# Altium PCB UAARG Autopilot.PcbDoc (part 1 of 4) (continued)
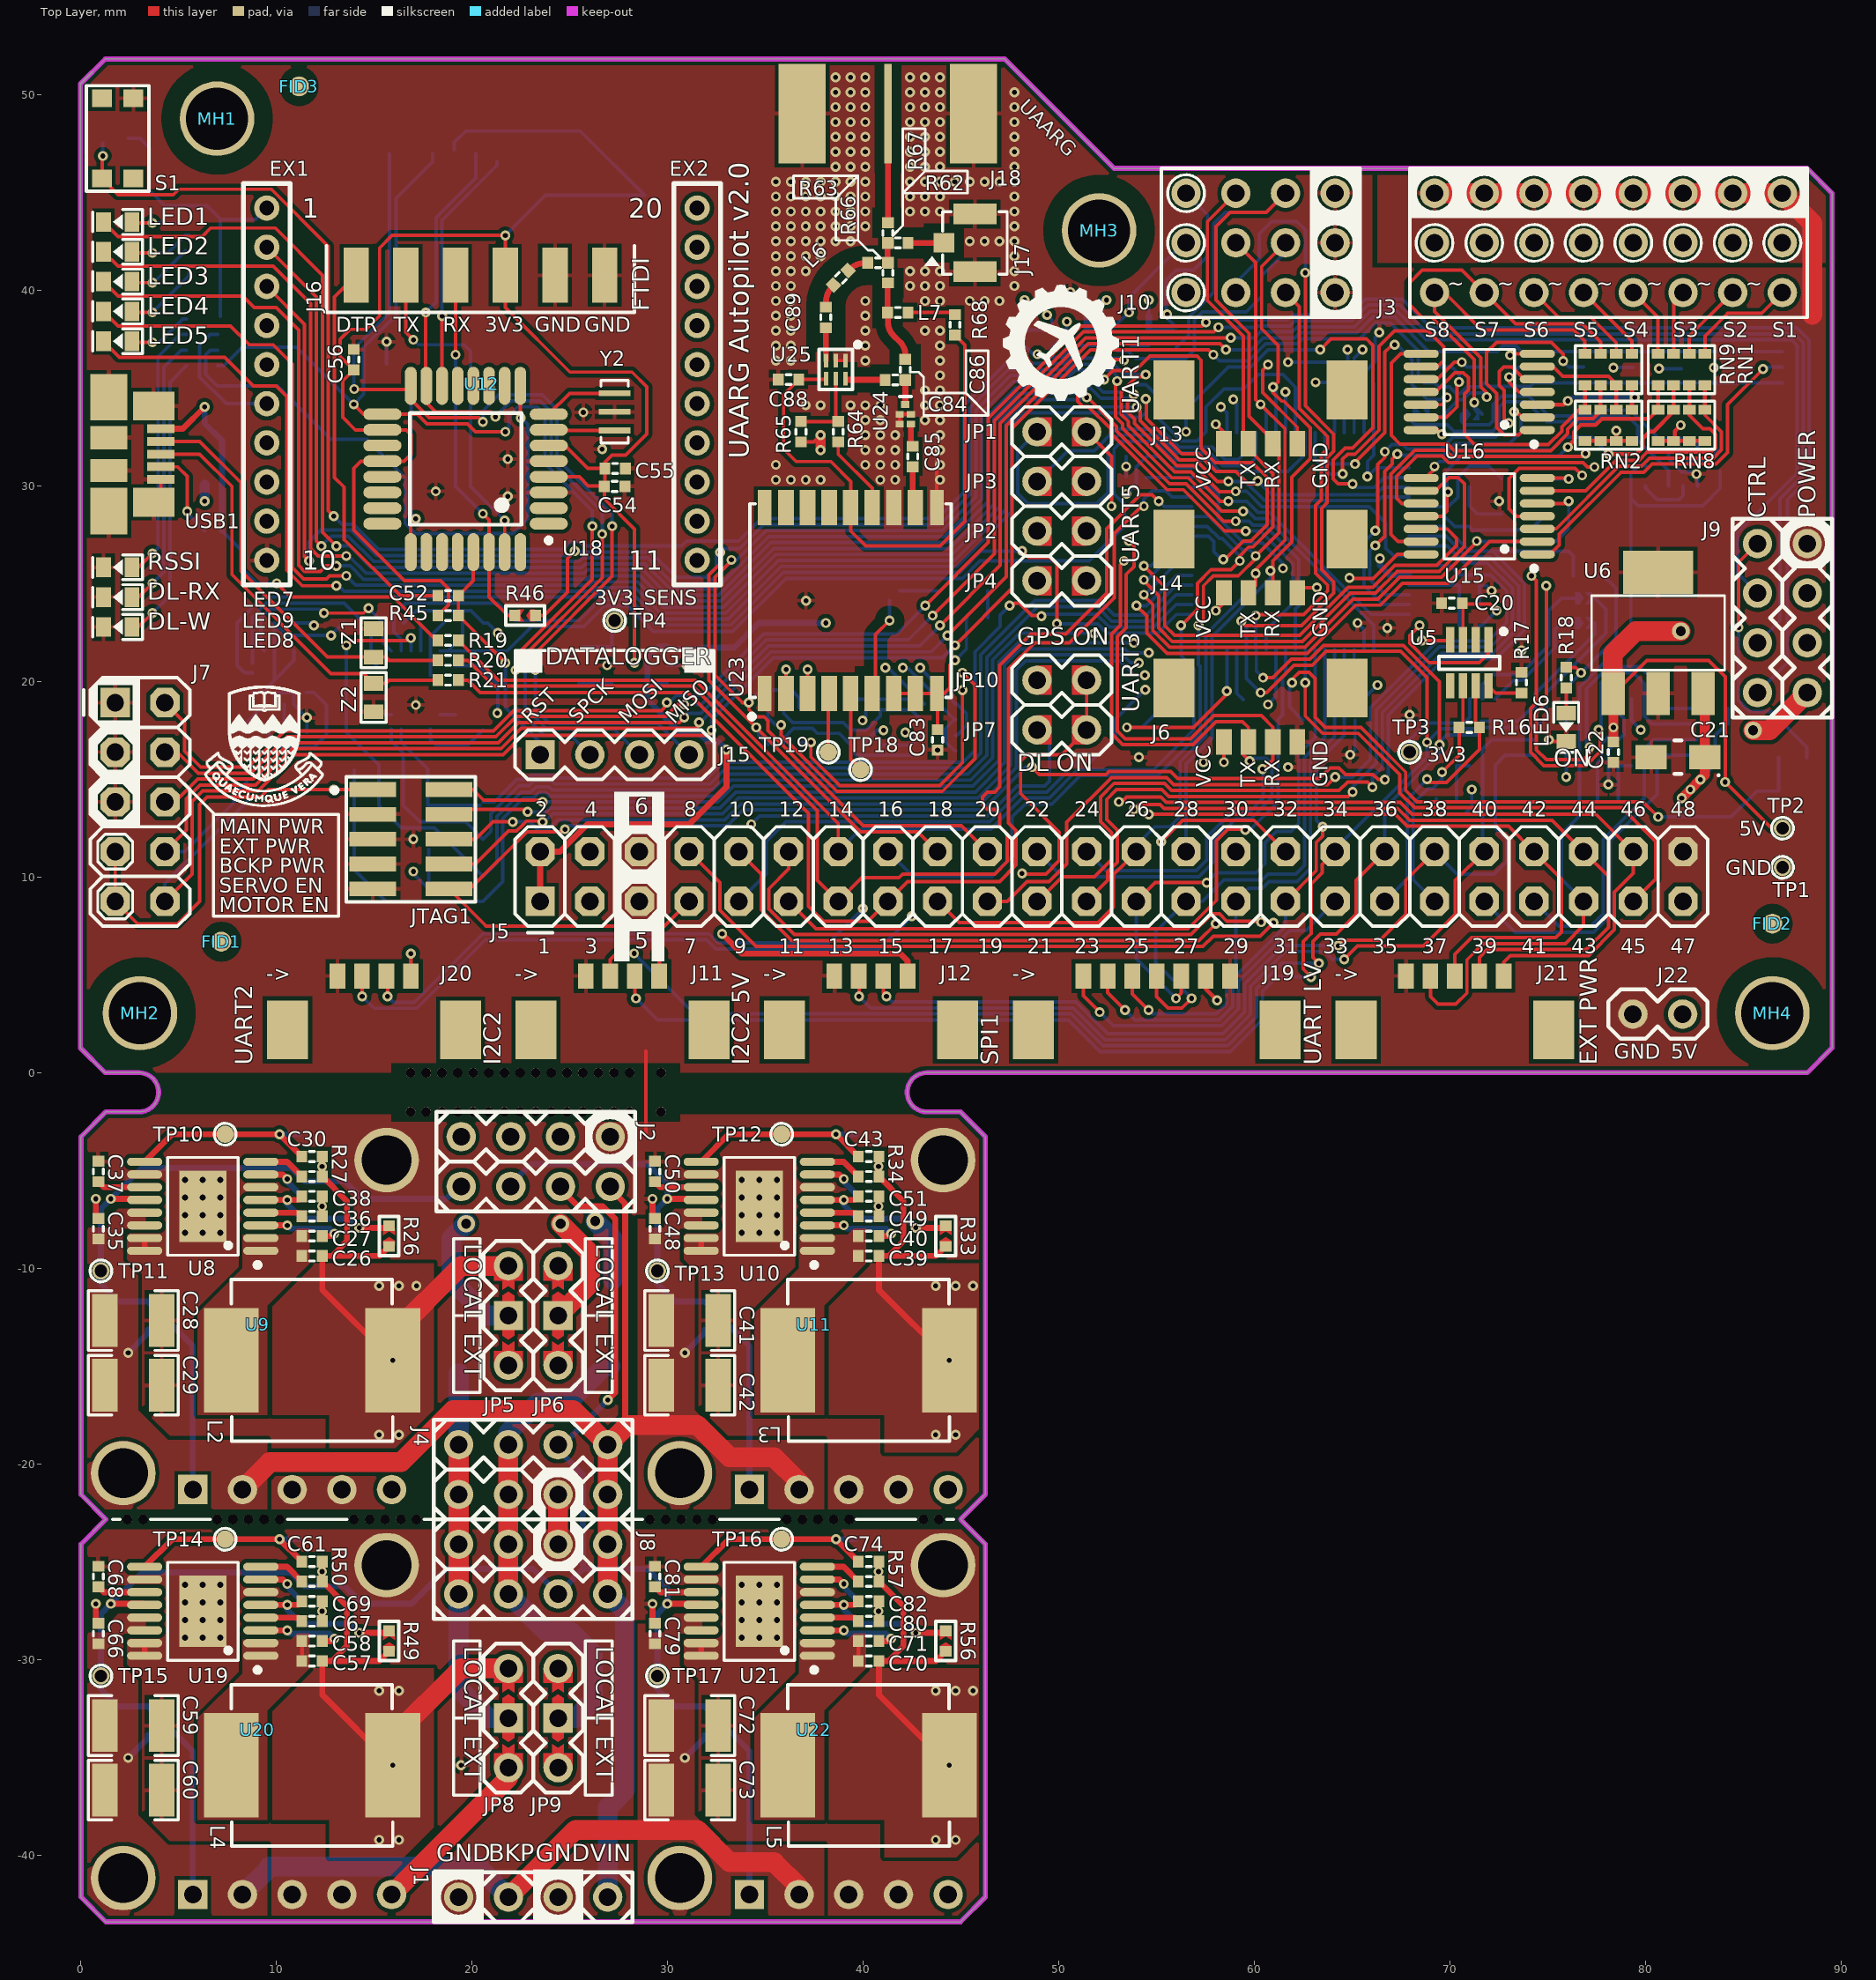
[diagram p0: Top Layer view]
## Components (designator, comment, footprint, x,y, rotation, side; value= is the part's Value field where it differs from the comment) (continued)
JP6 "Jumper" JUMPER_3POS 24.414,-12.414 r270 top
JP7 "Jumper" HDR_1x02_JMP 48.895,17.526 r0 top
JP8 "Jumper" JUMPER_3POS 21.874,-32.988 r270 top
JP9 "Jumper" JUMPER_3POS 24.414,-32.988 r270 top
JP10 "Jumper" HDR_1x02_JMP 48.895,20.066 r0 top
JTAG1 "Mini JTAG 5x2 TH" "Header 5x2 1.27mm SMD" 16.891,11.938 r270 top
L1 "#NAME?" GEN_0402[1005M] 70.993,22.86 r180 bottom
L2 "6.8uH" IHLP-3232DZ 11.841,-14.7 r0 top
L3 "6.8uH" IHLP-3232DZ 40.289,-14.7 r0 top
L4 "6.8uH" IHLP-3232DZ 11.841,-35.401 r0 top
L5 "6.8uH" IHLP-3232DZ 40.289,-35.401 r0 top
L6 "6.8nH" GEN_0402[1005M] 38.862,40.64 r45 top
L7 "27nH" GEN_0402[1005M] 41.783,38.862 r180 top
LED1 "LED" LED_0603[1608M] 1.905,43.488 r180 top
LED2 "LED" LED_0603[1608M] 1.905,41.964 r180 top
LED3 "LED" LED_0603[1608M] 1.905,40.44 r180 top
LED4 "LED" LED_0603[1608M] 1.905,38.916 r180 top
LED5 "LED" LED_0603[1608M] 1.905,37.392 r180 top
LED6 "LED" LED_0603[1608M] 75.946,17.657 r270 top
LED7 "LED" LED_0603[1608M] 1.905,25.835 r180 top
LED8 "LED" LED_0603[1608M] 1.905,22.787 r180 top
LED9 "LED" LED_0603[1608M] 1.905,24.311 r180 top
MH1 "Mounting Hole" MOUNTINGHOLE_6 6.985,48.768 r0 top locked
MH2 "Mounting Hole" MOUNTINGHOLE_6 3.048,3.048 r0 top locked
MH3 "Mounting Hole" MOUNTINGHOLE_6 52.07,43.053 r0 top
MH4 "Mounting Hole" MOUNTINGHOLE_6 86.487,3.048 r0 top locked
Q1 "BJT NPN DUAL" SOT363-6 81.915,30.893 r270 bottom
Q2 "N-CH MOSFET-D-ARRAY" SOT363-6 40.132,17.653 r270 bottom
R1 "RES" RES_0402[1005M] 62.484,18.542 r90 bottom
R2 "RES" RES_0603[1608M] 87.53,16.123 r0 bottom
R3 "RES" RES_0603[1608M] 87.53,14.472 r180 bottom
R4 "RES" RES_0402[1005M] 49.657,37.592 r90 bottom
R5 "RES" JUMPER_RES_0402 71.12,33.655 r0 bottom
R6 "RES" RES_0402[1005M] 80.01,30.512 r90 bottom
R7 "RES" RES_0402[1005M] 56.007,37.592 r90 bottom
R8 "RES" RES_0402[1005M] 52.832,37.592 r90 bottom
R9 "RES" JUMPER_RES_0402 68.58,33.655 r0 bottom
R10 "RES" RES_0402[1005M] 83.82,31.274 r270 bottom
R11 "RES" RES_0402[1005M] 64.135,35.814 r270 bottom
R12 "RES" RES_0402[1005M] 76.835,25.4 r0 bottom
R13 "RES" RES_0402[1005M] 13.97,22.987 r180 bottom
R14 "RES" RES_0402[1005M] 16.002,22.987 r0 bottom
R15 "RES" RES_0402[1005M] 20.066,22.987 r0 bottom
R16 "RES" RES_0402[1005M] 70.993,17.653 r0 top
R17 "RES" RES_0402[1005M] 73.66,19.939 r270 top
R18 "RES" RES_0402[1005M] 75.946,20.197 r270 top
R19 "RES" RES_0402[1005M] 18.796,22.098 r0 top
R20 "RES" RES_0402[1005M] 18.796,21.082 r180 top
R21 "RES" RES_0402[1005M] 18.796,20.066 r180 top
R22 "RES" RES_0402[1005M] 6.35,27.178 r90 bottom
R23 "RES" RES_0402[1005M] 7.239,27.178 r90 bottom
R24 "RES" RES_0402[1005M] 11.841,-4.286 r180 bottom
R25 "RES" RES_0603[1608M] 3.459,-12.414 r270 bottom
R26 "RES" JUMPER_RES_0402 15.778,-8.35 r90 top
R27 "RES" RES_0402[1005M] 11.841,-5.302 r180 top
R28 "RES" RES_0402[1005M] 11.841,-3.27 r0 bottom
R29 "RES" RES_0402[1005M] 11.841,-6.318 r180 bottom
R30 "RES" RES_0603[1608M] 1.935,-12.414 r90 bottom
R31 "RES" RES_0402[1005M] 40.289,-4.286 r180 bottom
R32 "RES" RES_0603[1608M] 31.907,-12.414 r270 bottom
R33 "RES" JUMPER_RES_0402 44.226,-8.35 r90 top
R34 "RES" RES_0402[1005M] 40.289,-5.302 r180 top
R35 "RES" RES_0402[1005M] 40.289,-3.27 r0 bottom
R36 "RES" RES_0402[1005M] 40.289,-6.318 r180 bottom
R37 "RES" RES_0603[1608M] 30.383,-12.414 r90 bottom
R38 "RES" RES_0402[1005M] 78.08,13.995 r0 bottom
R39 "RES" RES_0402[1005M] 69.825,13.995 r0 bottom
R40 "RES" JUMPER_RES_0402 76.885,24.257 r0 bottom
R41 "RES" JUMPER_RES_0402 76.885,22.987 r0 bottom
R42 "RES" RES_0402[1005M] 9.017,13.843 r0 bottom
R43 "RES" RES_0402[1005M] 9.017,14.859 r0 bottom
R44 "RES" RES_0402[1005M] 1.905,47.752 r0 bottom
R45 "RES" RES_0402[1005M] 18.796,23.368 r180 top
R46 "RES" JUMPER_RES_0402 22.733,23.368 r180 top
R47 "RES" RES_0402[1005M] 11.841,-24.987 r180 bottom
R48 "RES" RES_0603[1608M] 3.459,-33.115 r270 bottom
R49 "RES" JUMPER_RES_0402 15.778,-29.051 r90 top
R50 "RES" RES_0402[1005M] 11.841,-26.003 r180 top
R51 "RES" RES_0402[1005M] 11.841,-23.971 r0 bottom
R52 "RES" RES_0402[1005M] 11.841,-27.019 r180 bottom
R53 "RES" RES_0603[1608M] 1.935,-33.115 r90 bottom
R54 "RES" RES_0402[1005M] 40.289,-24.987 r180 bottom
R55 "RES" RES_0603[1608M] 31.907,-33.115 r270 bottom
R56 "RES" JUMPER_RES_0402 44.226,-29.051 r90 top
R57 "RES" RES_0402[1005M] 40.289,-26.003 r180 top
R58 "RES" RES_0402[1005M] 40.289,-23.971 r0 bottom
R59 "RES" RES_0402[1005M] 40.289,-27.019 r180 bottom
R60 "RES" RES_0603[1608M] 30.383,-33.115 r90 bottom
R61 "RES" RES_0402[1005M] 45.847,23.241 r0 bottom
R62 "RES" RES_0402[1005M] 41.783,42.418 r180 top
R63 "RES" RES_0402[1005M] 40.767,41.402 r180 top
R64 "RES" RES_0402[1005M] 38.735,32.766 r90 top
R65 "RES" RES_0402[1005M] 36.83,32.766 r90 top
R66 "RES" RES_0402[1005M] 41.275,40.894 r90 top
R67 "RES" RES_0402[1005M] 41.275,42.926 r270 top
R68 "RES" RES_0402[1005M] 44.704,38.227 r90 top
RN1 "Res Network 1" "RES ARRAY SMD" 81.839,35.941 r0 top
RN2 "Res Network 1" "RES ARRAY SMD" 78.105,35.941 r0 top
RN3 "Res Network 1" "RES ARRAY SMD" 43.942,17.653 r270 bottom
RN4 "Res Network 1" "RES ARRAY SMD" 83.414,17.424 r270 bottom
RN5 "Res Network 1" "RES ARRAY SMD" 75.159,17.424 r270 bottom
RN6 "Res Network 1" "RES ARRAY SMD" 6.223,37.338 r90 bottom
RN7 "Res Network 1" "RES ARRAY SMD" 6.35,42.418 r90 bottom
RN8 "Res Network 1" "RES ARRAY SMD" 81.839,33.096 r180 top
RN9 "Res Network 1" "RES ARRAY SMD" 78.105,33.096 r180 top
S1 "BIND" "SMD TACTILE SW KMR 2" 1.905,47.752 r270 top
SB1 "SMD Jumper 1" "SMD JUMPER 1" 35.941,16.764 r90 bottom
SB2 "SMD Jumper 1" "SMD JUMPER 1" 35.941,18.669 r270 bottom
SB3 "SMD Jumper 1" "SMD JUMPER 1" 48.26,37.973 r180 bottom
SB4 "SMD Jumper 2" "SMD JUMPER 2" 54.61,37.973 r180 bottom
SB5 "SMD Jumper 2" "SMD JUMPER 2" 51.435,37.973 r180 bottom
SB6 "SMD Jumper 1" "SMD JUMPER 1" 86.995,36.068 r180 bottom
SB7 "SMD Jumper 1" "SMD JUMPER 1" 84.455,36.068 r180 bottom
SB8 "SMD Jumper 1" "SMD JUMPER 1" 81.915,36.068 r180 bottom
SB9 "SMD Jumper 1" "SMD JUMPER 1" 79.375,36.068 r180 bottom
SB10 "SMD Jumper 1" "SMD JUMPER 1" 76.835,36.068 r180 bottom
SB11 "SMD Jumper 1" "SMD JUMPER 1" 74.295,36.068 r180 bottom
SB12 "SMD Jumper 1" "SMD JUMPER 1" 71.755,36.068 r180 bottom
SB13 "SMD Jumper 1" "SMD JUMPER 1" 69.215,36.068 r180 bottom
TP1 "Test Point GND" TP_TH_1_SILK 87,10.5 r0 top
TP2 "Test Point VCC" TP_TH_1_SILK 87,12.5 r90 top
TP3 "Test Point VCC" TP_TH_1_SILK 67.945,16.383 r90 top
TP4 "Test Point VCC" TP_TH_1_SILK 27.305,23.114 r90 top
TP5 "Test Point SIG" TP_SMD_1_SILK 20.574,13.843 r90 bottom
TP6 "Test Point SIG" TP_SMD_1_SILK 20.574,10.033 r90 bottom
TP7 "Test Point SIG" TP_SMD_1_SILK 20.574,11.938 r90 bottom
TP8 "Test Point SIG" TP_SMD_1_SILK 22.225,23.114 r90 bottom
TP9 "Test Point SIG" TP_SMD_1_SILK 13.97,15.494 r90 bottom
TP10 "Test Point SIG" TP_SMD_1_SILK 7.396,-3.143 r90 top
TP11 "Test Point SIG" TP_TH_1_SILK 1.046,-10.128 r90 top
TP12 "Test Point SIG" TP_SMD_1_SILK 35.844,-3.143 r90 top
TP13 "Test Point SIG" TP_TH_1_SILK 29.494,-10.128 r90 top
TP14 "Test Point SIG" TP_SMD_1_SILK 7.396,-23.844 r90 top
TP15 "Test Point SIG" TP_TH_1_SILK 1.046,-30.829 r90 top
TP16 "Test Point SIG" TP_SMD_1_SILK 35.844,-23.844 r90 top
TP17 "Test Point SIG" TP_TH_1_SILK 29.494,-30.829 r90 top
TP18 "Test Point SIG" TP_SMD_1_SILK 39.878,15.494 r90 top
TP19 "Test Point SIG" TP_SMD_1_SILK 38.227,16.383 r90 top
U1 "STM32F405RGT6" STM-LQFP64_N 62.357,27.178 r180 bottom locked
U2 "MS5611-01BA03" MS5611-01BA03 15.875,12.573 r90 bottom
U3 "MPU-6000" QFN24 17.145,19.558 r0 bottom
U4 "HMC5883L" QFN16 10.16,20.193 r270 bottom
U5 "MAX3051" SOT23-8_N 70.993,20.955 r270 top
U6 "LM3940IMPX-3.3/NOPB" SOT223-3 80.645,22.479 r0 top
U7 "LP2992" SOT23-5_N 28.575,20.828 r180 bottom
U8 "LM43603PWPT" HTSSOP-16 6.253,-6.826 r180 top
U9 "D24V__F_" D24V__F_ 5.745,-21.304 r0 top locked
U10 "LM43603PWPT" HTSSOP-16 34.701,-6.826 r180 top
U11 "D24V__F_" D24V__F_ 34.193,-21.304 r0 top locked
U12 "XBee / XBee PRO" "XBEE PRO FOR HEADERS" 9.525,44.196 r0 top locked
U13 "PCA9306DC" "DCT-8 (LSSOP-8)" 79.604,17.424 r270 bottom
U14 "PCA9306DC" "DCT-8 (LSSOP-8)" 71.349,17.424 r270 bottom
U15 "SN74LVC125APWR" TSSOP-14 71.501,28.448 r180 top
U16 "SN74LVC125APWR" TSSOP-14 71.501,34.798 r180 top
U17 "MICRO-SD_1" MICRO-SD_1 13.462,49.911 r0 bottom
U18 "ATmega328P-AU" TQFP32A_M 19.685,30.861 r180 top
U19 "LM43603PWPT" HTSSOP-16 6.253,-27.527 r180 top
U20 "D24V__F_" D24V__F_ 5.745,-42.005 r0 top locked
U21 "LM43603PWPT" HTSSOP-16 34.701,-27.527 r180 top
U22 "D24V__F_" D24V__F_ 34.193,-42.005 r0 top locked
U23 "MAX-7Q" MAX6/7_GPS 39.37,24.13 r90 top locked
U24 "#NAME?" 5-SMD 42.164,33.655 r0 top
U25 "#NAME?" uDFN-6 38.608,35.941 r270 top
USB1 "Micro USB B" "Micro USB B_SMT" 0,31.623 r270 top locked
Y1 "XTAL_1" "CRYSTAL SMD3 ABM8G 3225" 73.787,29.464 r0 bottom
Y2 "XTAL_3" RESONATOR_3213 27.305,33.782 r90 top
Z1 "#NAME?" GEN2_0603[1608M] 14.986,21.971 r270 top
Z2 "#NAME?" GEN2_0603[1608M] 14.986,19.177 r90 top

## Footprints (in the part's own frame and the unit in brackets; to place one, negate y for a bottom-side part, rotate by r counter-clockwise, add the part's x,y. Pads: shape width x height; smd on the part's side, far side on the other; paste and mask are expansions set on the pad)
1X04 [mm] "Connector; Header; 4 Position"
  rect 1.5x1.5 hole 0.9: 1(0,0)
  round 1.5 hole 0.9: 2(2.54,0) 3(5.08,0) 4(7.62,0)
  silkscreen extent -1.27,-1.27 8.89,1.27
1X04_v2 [mm] "Connector; Header; 4 Position"
  round 1.5 hole 0.9: 1(0,0) 2(2.54,0) 3(5.08,0) 4(7.62,0)
  silkscreen extent -1.27,-1.27 8.89,1.27
"2mm pitch female header" [mm] "2mm pitch female header"
  round 1.3 hole 0.762: 1(0,0) 2(0,-2) 3(0,-4) 4(0,-6) 5(0,-8) 6(0,-10) 7(0,-12) 8(0,-14) 9(0,-16) 10(0,-18)
  silkscreen extent -1.19,-19.25 1.19,1.25, body extent -1.23,-19.25 1.27,1.25, height 4
2X04 [mm] "Connector; Header; 4 Position"
  round 1.5 hole 0.9: 1(0,0) 2(2.54,0) 3(0,-2.54) 4(2.54,-2.54) 5(0,-5.08) 6(2.54,-5.08) 7(0,-7.62) 8(2.54,-7.62)
  silkscreen extent -1.27,-8.89 3.81,1.27
5-SMD [mm] "5-Terminal Surface-Mount Case  1.45 X 1.15- mm Nominal Footprint"
  rect 0.425x0.35 smd: A(0.288,-0.5) B(0.288,0) C(0,0.5) D(-0.288,0) E(-0.288,-0.5)
  silkscreen extent -0.3,0.9 0.3,0.9, body extent -0.58,-0.72 0.58,0.72, height 0.7
CAP_0402[1005M] [mm] "Chip SMD Capacitor, Body 1.0x0.5mm, IPC Low Density"
  rect 0.55x0.6 smd: 1(-0.525,0) 2(0.525,0)
  silkscreen extent -0.13,-0.25 0.13,0.25, body extent -0.5,-0.25 0.5,0.25, height 0.48
CAP_0603[1608M] [mm] "Chip SMD Capacitor, Body 1.6x0.8mm, IPC Low Density"
  rect 0.75x1 smd: 1(-0.725,0) 2(0.725,0)
  silkscreen extent -0.25,-0.38 0.25,0.38, body extent -0.8,-0.4 0.8,0.4, height 0.78
CAP_0805[2012M] [mm] "Chip SMD Capacitor, Body 2.0x1.2mm, IPC Low Density"
  rect 1x1.4 smd: 1(-0.95,0) 2(0.95,0)
  silkscreen extent -0.28,-0.65 0.28,0.65, body extent -1,-0.62 1,0.63, height 0.59
CAP_1210[3225M] [mm] "Chip SMD Capacitor, Body 3.2x2.5mm, IPC Low Density"
  rect 1.3x2.7 smd: 1(-1.45,0) 2(1.45,0)
  silkscreen extent -2.3,-1.52 2.3,1.52, body extent -1.6,-1.25 1.6,1.25, height 1.3
CAPMP3216X16N [mm] "Molded Capacitor, 2-Leads, Body 3.20x1.60mm, IPC Medium Density"
  rect 1.6x1.25 smd: 1(-1.375,0) 2(1.375,0)
  silkscreen extent -2.13,-0.85 0.17,0.97, body extent -1.7,-0.84 1.7,0.84, height 1.71
"CRYSTAL SMD3 ABM8G 3225" [mm] "SMD Crystal Abracon ABM8G 3.2x2.5"
  rect 1.4x1.2 smd: 1(-1.15,-0.9) 2(1.15,-0.9) 3(1.15,0.9) 4(-1.15,0.9)
  silkscreen extent -2.05,-1.68 2.05,1.68, body extent -1.6,-1.25 1.6,1.25, height 1.01
D24V__F_ [mm] "Pololu's Buck Converter Module"
  round 3.302 hole 2.54: 0(-3.556,0.838) 0(9.906,16.84)
  rect 1.5x1.5 hole 0.9: 1(0,0)
  round 1.5 hole 0.9: 2(2.54,0) 3(5.08,0) 4(7.62,0) 5(10.16,0)
"DCT-8 (LSSOP-8)" [mm] "LSSOP-8, 8-Leads, Body 3.15x2.9mm, Pitch 0.65mm, IPC Medium Density"
  oval 1.6x0.3 smd: 1(-1.7,0.975) 2(-1.7,0.325) 3(-1.7,-0.325) 4(-1.7,-0.975) 5(1.7,-0.975) 6(1.7,-0.325) 7(1.7,0.325) 8(1.7,0.975)
  silkscreen extent -2.3,-1.48 0.65,1.77, body extent -2.1,-1.52 2.1,1.53, height 1.3
FIDUCIAL_1 [mil] "Fiducial model 1"
  rrect100% 40x40 smd paste-20 mask+20: P$1(0,0)
  Top Layer pour cut-out: 0,-40 -15.31,-36.96 -28.28,-28.28 -36.96,-15.31 -40,0 -40,0 -36.96,15.31 -28.28,28.28 -15.31,36.96 0,40 0,40 15.31,36.96 28.28,28.28 36.96,15.31 40,0 40,0 36.96,-15.31 28.28,-28.28 15.31,-36.96 0,-40
GEN2_0603[1608M] [mm] "Chip SMD Generic Component, Body 1.6x0.8mm, IPC Low Density"
  rect 0.75x1 smd: 1(-0.725,0) 2(0.725,0)
  silkscreen extent -1.27,-0.64 1.27,0.64, body extent -0.8,-0.4 0.8,0.4, height 0.9
GEN_0402[1005M] [mm] "Chip SMD Generic Component, Body 1.0x0.5mm, IPC Low Density"
  rect 0.55x0.6 smd: 1(-0.525,0) 2(0.525,0)
  silkscreen extent -0.13,-0.25 0.13,0.25, body extent -0.5,-0.25 0.5,0.25, height 0.6
HDR_1x02 [mm] "Header 2 positions"
  round 1.5 hole 0.9: 1(0,0) 2(2.54,0)
  silkscreen extent -1.27,-1.27 3.81,1.27, body extent -1.17,-1.25 3.91,1.25, height 8.6
HDR_1x02_JMP [mm] "Header 2 positions"
  round 1.5 hole 0.9: 1(0,0) 2(2.54,0)
  Multi-Layer region: 2.54,0.75 1.79,0.75 1.79,-0.75 2.54,-0.75
  Multi-Layer region: 0,-0.75 0.75,-0.75 0.75,0.75 0,0.75
  silkscreen extent -1.27,-1.27 3.81,1.27, body extent -1.17,-1.25 3.91,1.25, height 8.6
HDR_2X05 [mm] "Connector; Header; 2x05 Position"
  rect 1.5x1.5 hole 0.9: 1(0,0)
  oct 1.5x1.5 hole 0.9: 2(0,2.54) 3(2.54,0) 4(2.54,2.54) 5(5.08,0) 6(5.08,2.54) 7(7.62,0) 8(7.62,2.54) 9(10.16,0) 10(10.16,2.54)
  silkscreen extent -1.27,-1.61 11.43,3.81, body extent -1.27,-10.02 11.43,2.86, height 5
HDR_2X24 [mm] "Connector; Header; 2x24 Position"
  rect 1.5x1.5 hole 0.9: 1(0,0)
  oct 1.5x1.5 hole 0.9: 2(0,2.54) 3(2.54,0) 4(2.54,2.54) 5(5.08,0) 6(5.08,2.54) 7(7.62,0) 8(7.62,2.54) 9(10.16,0) 10(10.16,2.54) 11(12.7,0) 12(12.7,2.54) 13(15.24,0) 14(15.24,2.54) 15(17.78,0) 16(17.78,2.54) 17(20.32,0) 18(20.32,2.54) 19(22.86,0) 20(22.86,2.54) 21(25.4,0) 22(25.4,2.54) 23(27.94,0) 24(27.94,2.54) 25(30.48,0) 26(30.48,2.54) 27(33.02,0) 28(33.02,2.54) 29(35.56,0) 30(35.56,2.54) 31(38.1,0) 32(38.1,2.54) 33(40.64,0) 34(40.64,2.54) 35(43.18,0) 36(43.18,2.54) 37(45.72,0) 38(45.72,2.54) 39(48.26,0) 40(48.26,2.54) 41(50.8,0) 42(50.8,2.54) 43(53.34,0) 44(53.34,2.54) 45(55.88,0) 46(55.88,2.54) 47(58.42,0) 48(58.42,2.54)
  silkscreen extent -1.27,-1.61 59.69,3.81, body extent -1.27,-1.27 59.69,3.81, height 8.5
HDR_3X04_RA [mm] "Connector; Header; 12 Position, 3 rows, 4 pins per row, right angle"
  round 1.5 hole 0.9: 1(7.62,0) 2(5.08,0) 3(2.54,0) 4(0,0) 5(7.62,2.54) 6(5.08,2.54) 7(2.54,2.54) 8(0,2.54) 9(7.62,5.08) 10(5.08,5.08) 11(2.54,5.08) 12(0,5.08)
  silkscreen extent -1.27,-1.27 8.89,6.35, body extent -1.27,-9.91 8.89,5.4, height 7.19
HDR_3X08_RA [mm] "Connector; Header; 24 Position, 3 rows, 8 pins per row, right angle"
  round 1.5 hole 0.9: 1(0,5.08) 2(0,2.54) 3(0,0) 4(2.54,5.08) 5(2.54,2.54) 6(2.54,0) 7(5.08,5.08) 8(5.08,2.54) 9(5.08,0) 10(7.62,5.08) 11(7.62,2.54) 12(7.62,0) 13(10.16,5.08) 14(10.16,2.54) 15(10.16,0) 16(12.7,5.08) 17(12.7,2.54) 18(12.7,0) 19(15.24,5.08) 20(15.24,2.54) 21(15.24,0) 22(17.78,5.08) 23(17.78,2.54) 24(17.78,0)
  silkscreen extent -1.27,-1.27 19.05,6.35, body extent -1.27,-9.91 19.05,5.4, height 7.19
"Header 5x2 1.27mm SMD" [mm] "Header 10pos, 5x2, pitch 1.27mm SMD"
  rect 0.75x2.4 smd: 1(-2.54,-1.95) 2(-2.54,1.95) 3(-1.27,-1.95) 4(-1.27,1.95) 5(0,-1.95) 6(0,1.95) 7(1.27,-1.95) 8(1.27,1.95) 9(2.54,-1.95) 10(2.54,1.95)
  silkscreen extent -3.2,-4.02 3.2,3.3, body extent -3.14,-2.92 3.14,2.92, height 6.12
"HEADER RA 6 2.54" [mm] "CONN 3M male pin header 6 SMD 961106-5500"
  rect 2.8x1.3 smd: 1(0,6.35) 2(0,3.81) 3(0,1.27) 4(0,-1.27) 5(0,-3.81) 6(0,-6.35)
  silkscreen extent -1.5,-7.87 1.91,7.87, body extent -10.82,-7.54 0.68,7.7, height 2.5
HTSSOP-16 [mm] "Thin-Shrink Small Outline Package (TSSOP), 16-Leads, Body 4.4x5.0mm, Pitch 0.65mm, IPC Medium Density with exposed pad"
  oval 1.8x0.42 smd: 1(-2.97,2.275) 2(-2.97,1.625) 3(-2.97,0.975) 4(-2.97,0.325) 5(-2.97,-0.325) 6(-2.97,-0.975) 7(-2.97,-1.625) 8(-2.97,-2.275) 9(2.97,-2.275) 10(2.97,-1.625) 11(2.97,-0.975) 12(2.97,-0.325) 13(2.97,0.325) 14(2.97,0.975) 15(2.97,1.625) 16(2.97,2.275)
  rect 2.41x3.65 smd: EP(0,0)
  silkscreen extent -2.93,-2.5 1.8,3.12, body extent -3.2,-2.5 3.2,2.5, height 1
IHLP-3232DZ [mil] "SMT Inductor IHLP-3232DZ 322x322x158mil"
  rect 110x210 smd: 1(-162.4,0) 2(162.4,-0.01)
  silkscreen extent -162,-162 162,162, body extent -170,-161 170,161, height 158
JUMPER_3POS [mm] "Multi Jumper 3 positions"
  round 1.5 hole 0.9: 1(-2.54,0) 3(2.54,0)
  rect 1.5x1.5 hole 0.9: 2(0,0)
  Top Layer region: 1.32,0.3 1.52,0 1.32,-0.3 2,-0.3 2,0.3
  Top Layer region: 0.675,0.3 1.02,0.3 1.22,0 1.02,-0.3 0.675,-0.3
  Top Layer region: -0.675,-0.3 -1.02,-0.3 -1.22,0 -1.02,0.3 -0.675,0.3
  Top Layer region: -1.32,-0.3 -1.52,0 -1.32,0.3 -2,0.3 -2,-0.3
  Bottom Layer region: 1.32,-0.3 1.52,0 1.32,0.3 2,0.3 2,-0.3
  Bottom Layer region: 0.675,-0.3 1.02,-0.3 1.22,0 1.02,0.3 0.675,0.3
  Bottom Layer region: -0.675,0.3 -1.02,0.3 -1.22,0 -1.02,-0.3 -0.675,-0.3
  Bottom Layer region: -1.32,0.3 -1.52,0 -1.32,-0.3 -2,-0.3 -2,0.3
  Multi-Layer region: 2.54,0.75 1.79,0.75 1.79,-0.75 2.54,-0.75
  Multi-Layer region: -2.54,-0.75 -1.79,-0.75 -1.79,0.75 -2.54,0.75
  silkscreen extent -3.81,-1.27 3.81,1.27, body extent -3.71,-1.25 3.91,1.25, height 8.6
JUMPER_RES_0402 [mm] "Chip SMD Resistor Body 1.0x0.5mm, IPC Low Density with footprint for solder jumper"
  rect 0.55x0.6 smd: 1(-0.525,0) 2(0.525,0)
  Top Layer region: -0.475,0.3 -0.25,0.3 -0.05,0 -0.25,-0.3 -0.475,-0.3
  Top Layer region: 0.05,0.3 0.25,0 0.05,-0.3 0.375,-0.3 0.375,0.3
  silkscreen extent -1,-0.5 1,0.5, body extent -0.5,-0.25 0.5,0.25, height 0.34
LED_0603[1608M] [mm] "Chip SMD LED Body 1.6x0.8mm, IPC Low Density"
  rect 0.75x1 smd: 1(-0.725,0) 2(0.725,0)
  silkscreen extent -1.27,-0.64 1.27,0.64, body extent -0.8,-0.4 0.8,0.4, height 0.25
MAX6/7_GPS [mm] "u-blox MAX6/7 GNSS module"
  rect 1.8x0.7 smd mask+0.03: 1(-4.75,4.4) 9(-4.75,-4.4) 10(4.75,-4.4) 18(4.75,4.4)
  rect 1.8x0.8 smd mask+0.03: 2(-4.75,3.3) 3(-4.75,2.2) 4(-4.75,1.1) 5(-4.75,0) 6(-4.75,-1.1) 7(-4.75,-2.2) 8(-4.75,-3.3) 11(4.75,-3.3) 12(4.75,-2.2) 13(4.75,-1.1) 14(4.75,0) 15(4.75,1.1) 16(4.75,2.2) 17(4.75,3.3)
  silkscreen extent -6.05,-5.15 4.95,5.17, body extent -4.85,-5.05 4.85,5.05, height 2.47
"Micro USB B_SMT" [mm] "Micro USB B SMD R/A; Molex P/N 0473460001"
  rect 0.45x1.38 smd: 1(-1.3,4.11) 2(-0.65,4.11) 3(0,4.11) 4(0.65,4.11) 5(1.3,4.11)
  rect 2.375x1.9 smd: SH(-2.913,1.45) SH(2.913,1.45)
  rect 1.475x2.1 smd: SH(-2.462,3.75) SH(2.462,3.75)
  rect 1.175x1.9 smd: SH(-0.837,1.45) SH(0.837,1.45)
  body extent -3.99,-0.7 3.99,4.73, height 2.72
MICRO-SD_1 [mm] "Global Connector Technology MEM2051-00-195-00-A"
  rect 0.8x1.5 smd: 1(8.94,2.94) 2(7.84,3.34) 3(6.74,2.94) 4(5.64,2.74) 5(4.54,2.94) 6(3.44,2.74) 7(2.34,2.94) 8(1.24,2.94)
  rect 1x0.95 smd: 9(3.44,14.025)
  rect 1.4x1.9 smd: 10(0.45,0.65) 10(13.6,-0.4)
  rect 1.3x1.4 smd: 10(2.05,13.8) 10(7.75,13.8)
  silkscreen extent -0.2,-1.2 14.2,14.3, body extent -0.1,-1.1 14.1,14.25, height 1.95
MOUNTINGHOLE_6 [mm] "Mounting Hole 6 - Not plated, solder mask open anular ring"
  round 3.81 hole 3.175 unplated mask+0.889: MH(0,0)
  Top Layer pour cut-out: 0,-2.857 -1.093,-2.64 -2.02,-2.02 -2.64,-1.093 -2.857,0 -2.857,0 -2.64,1.093 -2.02,2.02 -1.093,2.64 0,2.857 0,2.857 1.094,2.64 2.021,2.021 2.64,1.094 2.857,0 2.857,0 2.64,-1.094 2.021,-2.021 1.094,-2.64 0,-2.857
  Bottom Layer pour cut-out: 0,-2.857 -1.093,-2.64 -2.02,-2.02 -2.64,-1.093 -2.857,0 -2.857,0 -2.64,1.093 -2.02,2.02 -1.093,2.64 0,2.857 0,2.857 1.094,2.64 2.021,2.021 2.64,1.094 2.857,0 2.857,0 2.64,-1.094 2.021,-2.021 1.094,-2.64 0,-2.857
MS5611-01BA03 [mm] "MS5611-01BA03 Pressure Sensor"
  rect 1.2x0.6 smd: 1(-1.1,1.875) 2(-1.1,0.625) 3(-1.1,-0.625) 4(-1.1,-1.875) 5(1.1,-1.875) 6(1.1,-0.625) 7(1.1,0.625) 8(1.1,1.875)
  silkscreen extent -2.22,-2.6 1.6,2.6, body extent -1.5,-2.5 1.5,2.5, height 1.05
PICOBLADE_1X04_VERT_SMD [mm] "PicoBlade connector 1x04, vertical, smd, 1.25mm pitch"
  rect 2.1x3 smd: 0(-4.425,1.375) 0(4.425,1.375)
  rect 0.8x1.3 smd: 1(-1.875,-1.375) 2(-0.625,-1.375) 3(0.625,-1.375) 4(1.875,-1.375)
  body extent -5.07,-1.73 5.08,2.47, height 4.7
PICOBLADE_1X05_VERT_SMD [mm] "PicoBlade connector 1x05, vertical, smd, 1.25mm pitch"
  rect 2.1x3 smd: 0(-5.05,1.375) 0(5.05,1.375)
  rect 0.8x1.3 smd: 1(-2.5,-1.375) 2(-1.25,-1.375) 3(0,-1.375) 4(1.25,-1.375) 5(2.5,-1.375)
  body extent -5.7,-1.73 5.7,2.47, height 4.7
PICOBLADE_1X07_VERT_SMD [mm] "PicoBlade connector 1x07, vertical, smd, 1.25mm pitch"
  rect 2.1x3 smd: 0(-6.3,1.375) 0(6.3,1.375)
  rect 0.8x1.3 smd: 1(-3.75,-1.375) 2(-2.5,-1.375) 3(-1.25,-1.375) 4(0,-1.375) 5(1.25,-1.375) 6(2.5,-1.375) 7(3.75,-1.375)
  body extent -6.95,-1.73 6.95,2.47, height 4.7
QFN16 [mm] "QFN, 16-Leads, Body 3x3mm, Pitch 0.5mm"
  rect 0.7x0.35 smd mask+0.03: 1(-1.375,0.75) 2(-1.375,0.25) 3(-1.375,-0.25) 4(-1.375,-0.75) 9(1.375,-0.75) 10(1.375,-0.25) 11(1.375,0.25) 12(1.375,0.75)
  rect 0.35x0.7 smd mask+0.03: 5(-0.75,-1.375) 6(-0.25,-1.375) 7(0.25,-1.375) 8(0.75,-1.375) 13(0.75,1.375) 14(0.25,1.375) 15(-0.25,1.375) 16(-0.75,1.375)
  silkscreen extent -1.95,-1.5 1.5,1.9, body extent -1.5,-1.5 1.5,1.5, height 0.92
QFN24 [mm] "QFN, 24-Leads, Body 4x4mm, Pitch 0.5mm"
  rect 0.8x0.35 smd mask+0.03: 1(-2,1.25) 2(-2,0.75) 3(-2,0.25) 4(-2,-0.25) 5(-2,-0.75) 6(-2,-1.25) 13(2,-1.25) 14(2,-0.75) 15(2,-0.25) 16(2,0.25) 17(2,0.75) 18(2,1.25)
  rect 0.35x0.8 smd mask+0.03: 7(-1.25,-2) 8(-0.75,-2) 9(-0.25,-2) 10(0.25,-2) 11(0.75,-2) 12(1.25,-2) 19(1.25,2) 20(0.75,2) 21(0.25,2) 22(-0.25,2) 23(-0.75,2) 24(-1.25,2)
  rect 2.7x2.6 smd: EP(0,0)
  silkscreen extent -2.47,-2.02 2.02,2.42, body extent -2.02,-2.02 2.02,2.02, height 0.9
"RES ARRAY SMD" [mm] "SMD Resistor Array (Network) 4 resistors"
  rect 0.65x0.5 smd: 1(-1.2,-0.8) 2(-0.4,-0.8) 3(0.4,-0.8) 4(1.2,-0.8) 5(1.2,0.8) 6(0.4,0.8) 7(-0.4,0.8) 8(-1.2,0.8)
  silkscreen extent -1.7,-1.22 1.7,1.22, body extent -1.6,-0.8 1.6,0.8, height 0.55
RES_0402[1005M] [mm] "Chip SMD Resistor Body 1.0x0.5mm, IPC Low Density"
  rect 0.55x0.6 smd: 1(-0.525,0) 2(0.525,0)
  silkscreen extent -0.13,-0.25 0.13,0.25, body extent -0.5,-0.25 0.5,0.25, height 0.34
RES_0603[1608M] [mm] "Chip SMD Resistor Body 1.6x0.8mm, IPC Low Density"
  rect 0.75x1 smd: 1(-0.725,0) 2(0.725,0)
  silkscreen extent -0.25,-0.38 0.25,0.38, body extent -0.8,-0.4 0.8,0.4, height 0.44
RESONATOR_3213 [mm] "SMD Resonator  (3.20mm x 1.30mm)"
  rect 0.3x1.6 smd: 1(-0.95,0) 2(0.95,0) 3(0,0)
  silkscreen extent -1.6,-0.7 1.6,0.7, body extent -1.6,-0.65 1.6,0.65, height 1.01
SMA [mil] "Jhonson 142-0701-801 SMA edge-mount connector"
  rect 15x200 smd paste-200: 1(0,0)
  rect 95x200 smd paste-200: GND(-172.5,0) GND(172.5,0)
  rect 95x200 smd far side paste-200: GND(-172.5,0) GND(172.5,0)
  body extent -187,-80 187,482, height 171
"SMD JUMPER 1" [mm] "Solder Jumper SMD SPDT NO"
  rect 1x0.5 smd paste-1: 1(0,0.8) 2(0,0) 3(0,-0.8)
  silkscreen extent -0.7,-1.25 0.7,1.25
"SMD JUMPER 2" [mm] "Solder Jumper SMD SPDT NC"
  rect 1x0.5 smd paste-1: 1(0,0.8) 2(0,0) 3(0,-0.8)
  Top Layer region: -0.175,0.8 0.175,0.8 0.175,0 -0.175,0
  silkscreen extent -0.7,-1.25 0.7,1.25
"SMD TACTILE SW KMR 2" [mm] "C&K Components - KMR 2 Series"
  rect 0.9x1 smd: 1(-2.05,0.8) 2(-2.05,-0.8) 3(2.05,0.8) 4(2.05,-0.8)
  silkscreen extent -2.7,-1.6 2.7,1.6, body extent -2.3,-1.5 2.3,1.5, height 2.1
SOD-123 [mm] "SOD-123 SMD"
  rect 0.9x0.95 smd: 1(1.575,0) 2(-1.575,0)
  silkscreen extent -2.28,-0.9 1.63,0.9, body extent -1.92,-0.85 1.93,0.85, height 1.45
SOD-128 [mm] "SOD-128 SMD"
  rect 1.4x2.1 smd: 1(2.2,0) 2(-2.2,0)
  silkscreen extent -3.13,-1.45 2.1,1.45, body extent -2.5,-1.35 2.5,1.35, height 1.11
SOD-323 [mil] "SOD-323"
  rect 27x30 smd: 1(51.18,0) 2(-50.2,0)
  silkscreen extent -73,-26 40,26, body extent -49,-25 49,25, height 39
SOT23-5_N [mm] "SOT23, 5-Leads, Body 2.9x1.6mm, Pitch 0.95mm, Lead Span 2.8mm, IPC Medium Density"
  rect 1.1x0.65 smd: 1(-1.4,0.95) 2(-1.4,0) 3(-1.4,-0.95) 4(1.4,-0.95) 5(1.4,0.95)
  silkscreen extent -1.53,-1.55 0.58,1.93, body extent -1.4,-1.45 1.4,1.45, height 1.45
SOT23-8_N [mm] "SOT23, 8-Leads, Body 2.9x1.6mm, Pitch 0.65mm, Lead Span 2.8mm, IPC Medium Density"
  rect 1.3x0.42 smd: 1(-1.175,0.975) 2(-1.175,0.325) 3(-1.175,-0.325) 4(-1.175,-0.975) 5(1.175,-0.975) 6(1.175,-0.325) 7(1.175,0.325) 8(1.175,0.975)
  silkscreen extent -1.72,-1.55 0.33,1.88, body extent -1.4,-1.47 1.4,1.47, height 1.2
SOT223-3 [mm] "SOT223, 3-Leads, Body 6.5x3.5mm, Pitch 2.3mm"
  rect 1.2x2.2 smd: 1(-2.3,-3.1) 2(0,-3.1) 3(2.3,-3.1)
  rect 3.6x2.2 smd: 4(0,3.1)
  silkscreen extent -3.4,-1.9 3.4,1.9, body extent -3.24,-3.49 3.24,3.49, height 1.68
SOT363-6 [mm] "SOT363, 6-Leads, Body 2.9x1.6mm, Pitch 0.95mm, Lead Span 2.8mm, IPC Medium Density"
  rect 0.6x0.6 smd: 1(-0.9,0.75) 3(-0.9,-0.75) 4(0.9,-0.75) 6(0.9,0.75)
  rect 0.6x0.4 smd: 2(-0.9,0) 5(0.9,0)
  silkscreen extent -1.85,-1.28 1.43,1.67, body extent -1.15,-1.05 1.15,1.05, height 1
STM-LQFP64_N [mm] "Thin QFP, 64-Leads, Body 10x10mm, Pitch 0.5mm, IPC Medium Density"
  oval 1.8x0.3 smd: 1(-5.55,3.75) 2(-5.55,3.25) 3(-5.55,2.75) 4(-5.55,2.25) 5(-5.55,1.75) 6(-5.55,1.25) 7(-5.55,0.75) 8(-5.55,0.25) 9(-5.55,-0.25) 10(-5.55,-0.75) 11(-5.55,-1.25) 12(-5.55,-1.75) 13(-5.55,-2.25) 14(-5.55,-2.75) 15(-5.55,-3.25) 16(-5.55,-3.75) 33(5.55,-3.75) 34(5.55,-3.25) 35(5.55,-2.75) 36(5.55,-2.25) 37(5.55,-1.75) 38(5.55,-1.25) 39(5.55,-0.75) 40(5.55,-0.25) 41(5.55,0.25) 42(5.55,0.75) 43(5.55,1.25) 44(5.55,1.75) 45(5.55,2.25) 46(5.55,2.75) 47(5.55,3.25) 48(5.55,3.75)
  oval 0.3x1.8 smd: 17(-3.75,-5.55) 18(-3.25,-5.55) 19(-2.75,-5.55) 20(-2.25,-5.55) 21(-1.75,-5.55) 22(-1.25,-5.55) 23(-0.75,-5.55) 24(-0.25,-5.55) 25(0.25,-5.55) 26(0.75,-5.55) 27(1.25,-5.55) 28(1.75,-5.55) 29(2.25,-5.55) 30(2.75,-5.55) 31(3.25,-5.55) 32(3.75,-5.55) 49(3.75,5.55) 50(3.25,5.55) 51(2.75,5.55) 52(2.25,5.55) 53(1.75,5.55) 54(1.25,5.55) 55(0.75,5.55) 56(0.25,5.55) 57(-0.25,5.55) 58(-0.75,5.55) 59(-1.25,5.55) 60(-1.75,5.55) 61(-2.25,5.55) 62(-2.75,5.55) 63(-3.25,5.55) 64(-3.75,5.55)
  silkscreen extent -5.68,-4.25 4.25,4.57, body extent -6,-6 6,6, height 1.48
SUPERCAP_1210[3225M] [mm] "Chip SMD Super Capacitor, Body 3.2x2.5mm, IPC Low Density"
  rect 1.4x1.4 smd: 1(-1.1,0) 2(1.1,0)
  silkscreen extent -2.53,-1.35 2,1.35, body extent -1.63,-1.28 1.63,1.28, height 0.9
TP_SMD_1_SILK [mil] "Test Point Surface Mount 1"
  round 35 smd paste-17.5: 1(0,0)
  silkscreen extent -22,-22 22,22
TP_TH_1_SILK [mil] "Test Point Through-hole 1"
  round 35 hole 25: 1(0,0)
  silkscreen extent -22,-22 22,22
TQFP32A_M [mm] "Thin TQFP, 32-Leads, Body 7x7mm, Pitch 0.8mm, IPC Low Density"
  oval 1.95x0.6 smd: 1(-4.25,2.8) 2(-4.25,2) 3(-4.25,1.2) 4(-4.25,0.4) 5(-4.25,-0.4) 6(-4.25,-1.2) 7(-4.25,-2) 8(-4.25,-2.8) 17(4.25,-2.8) 18(4.25,-2) 19(4.25,-1.2) 20(4.25,-0.4) 21(4.25,0.4) 22(4.25,1.2) 23(4.25,2) 24(4.25,2.8)
  oval 0.6x1.95 smd: 9(-2.8,-4.25) 10(-2,-4.25) 11(-1.2,-4.25) 12(-0.4,-4.25) 13(0.4,-4.25) 14(1.2,-4.25) 15(2,-4.25) 16(2.8,-4.25) 25(2.8,4.25) 26(2,4.25) 27(1.2,4.25) 28(0.4,4.25) 29(-0.4,4.25) 30(-1.2,4.25) 31(-2,4.25) 32(-2.8,4.25)
  silkscreen extent -4.38,-2.85 2.85,3.77, body extent -4.5,-4.5 4.5,4.5, height 1.46
TSSOP-14 [mm] "Thin-Shrink Small Outline Package (TSSOP), 16-Leads, Body 4.4x5.0mm, Pitch 0.65mm, IPC Medium Density"
  oval 1.8x0.42 smd: 1(-2.97,1.95) 2(-2.97,1.3) 3(-2.97,0.65) 4(-2.97,0) 5(-2.97,-0.65) 6(-2.97,-1.3) 7(-2.97,-1.95) 8(2.97,-1.95) 9(2.97,-1.3) 10(2.97,-0.65) 11(2.97,0) 12(2.97,0.65) 13(2.97,1.3) 14(2.97,1.95)
  silkscreen extent -2.92,-2.17 1.8,2.8, body extent -3.2,-2.5 3.2,2.5, height 1.1
U.FL_1 [mm] "U.FL connector 3x3mm SMT"
  rect 1x1.05 smd: 1(0,-1.575)
  rect 1.05x2.2 smd: GND(-1.475,0) GND(1.475,0)
  silkscreen extent -1.6,-2.6 1.6,1.65, body extent -1.5,-1.55 1.5,1.55, height 1.26
uDFN-6 [mm] "uDFN 6-Leads, Body 1.5x1.0mm, Pitch 0.5mm"
  rect 0.7x0.22 smd: 1(-0.46,0.5) 2(-0.46,0) 3(-0.46,-0.5) 4(0.46,-0.5) 5(0.46,0) 6(0.46,0.5)
  silkscreen extent -1.4,-0.85 1.02,1.25, body extent -0.5,-0.75 0.5,0.75, height 0.75
"XBEE PRO FOR HEADERS" [mm] "XBee PRO Module with standoff height for headers use"
  round 1.3 hole 0.762: 1(0,0) 2(0,-2) 3(0,-4) 4(0,-6) 5(0,-8) 6(0,-10) 7(0,-12) 8(0,-14) 9(0,-16) 10(0,-18) 11(22,-18) 12(22,-16) 13(22,-14) 14(22,-12) 15(22,-10) 16(22,-8) 17(22,-6) 18(22,-4) 19(22,-2) 20(22,0)
  body extent -1.27,-25.62 23.11,20.61, height 11.78